# Altium PCB fMAX_MB.PcbDoc (part 1 of 13) (continued)
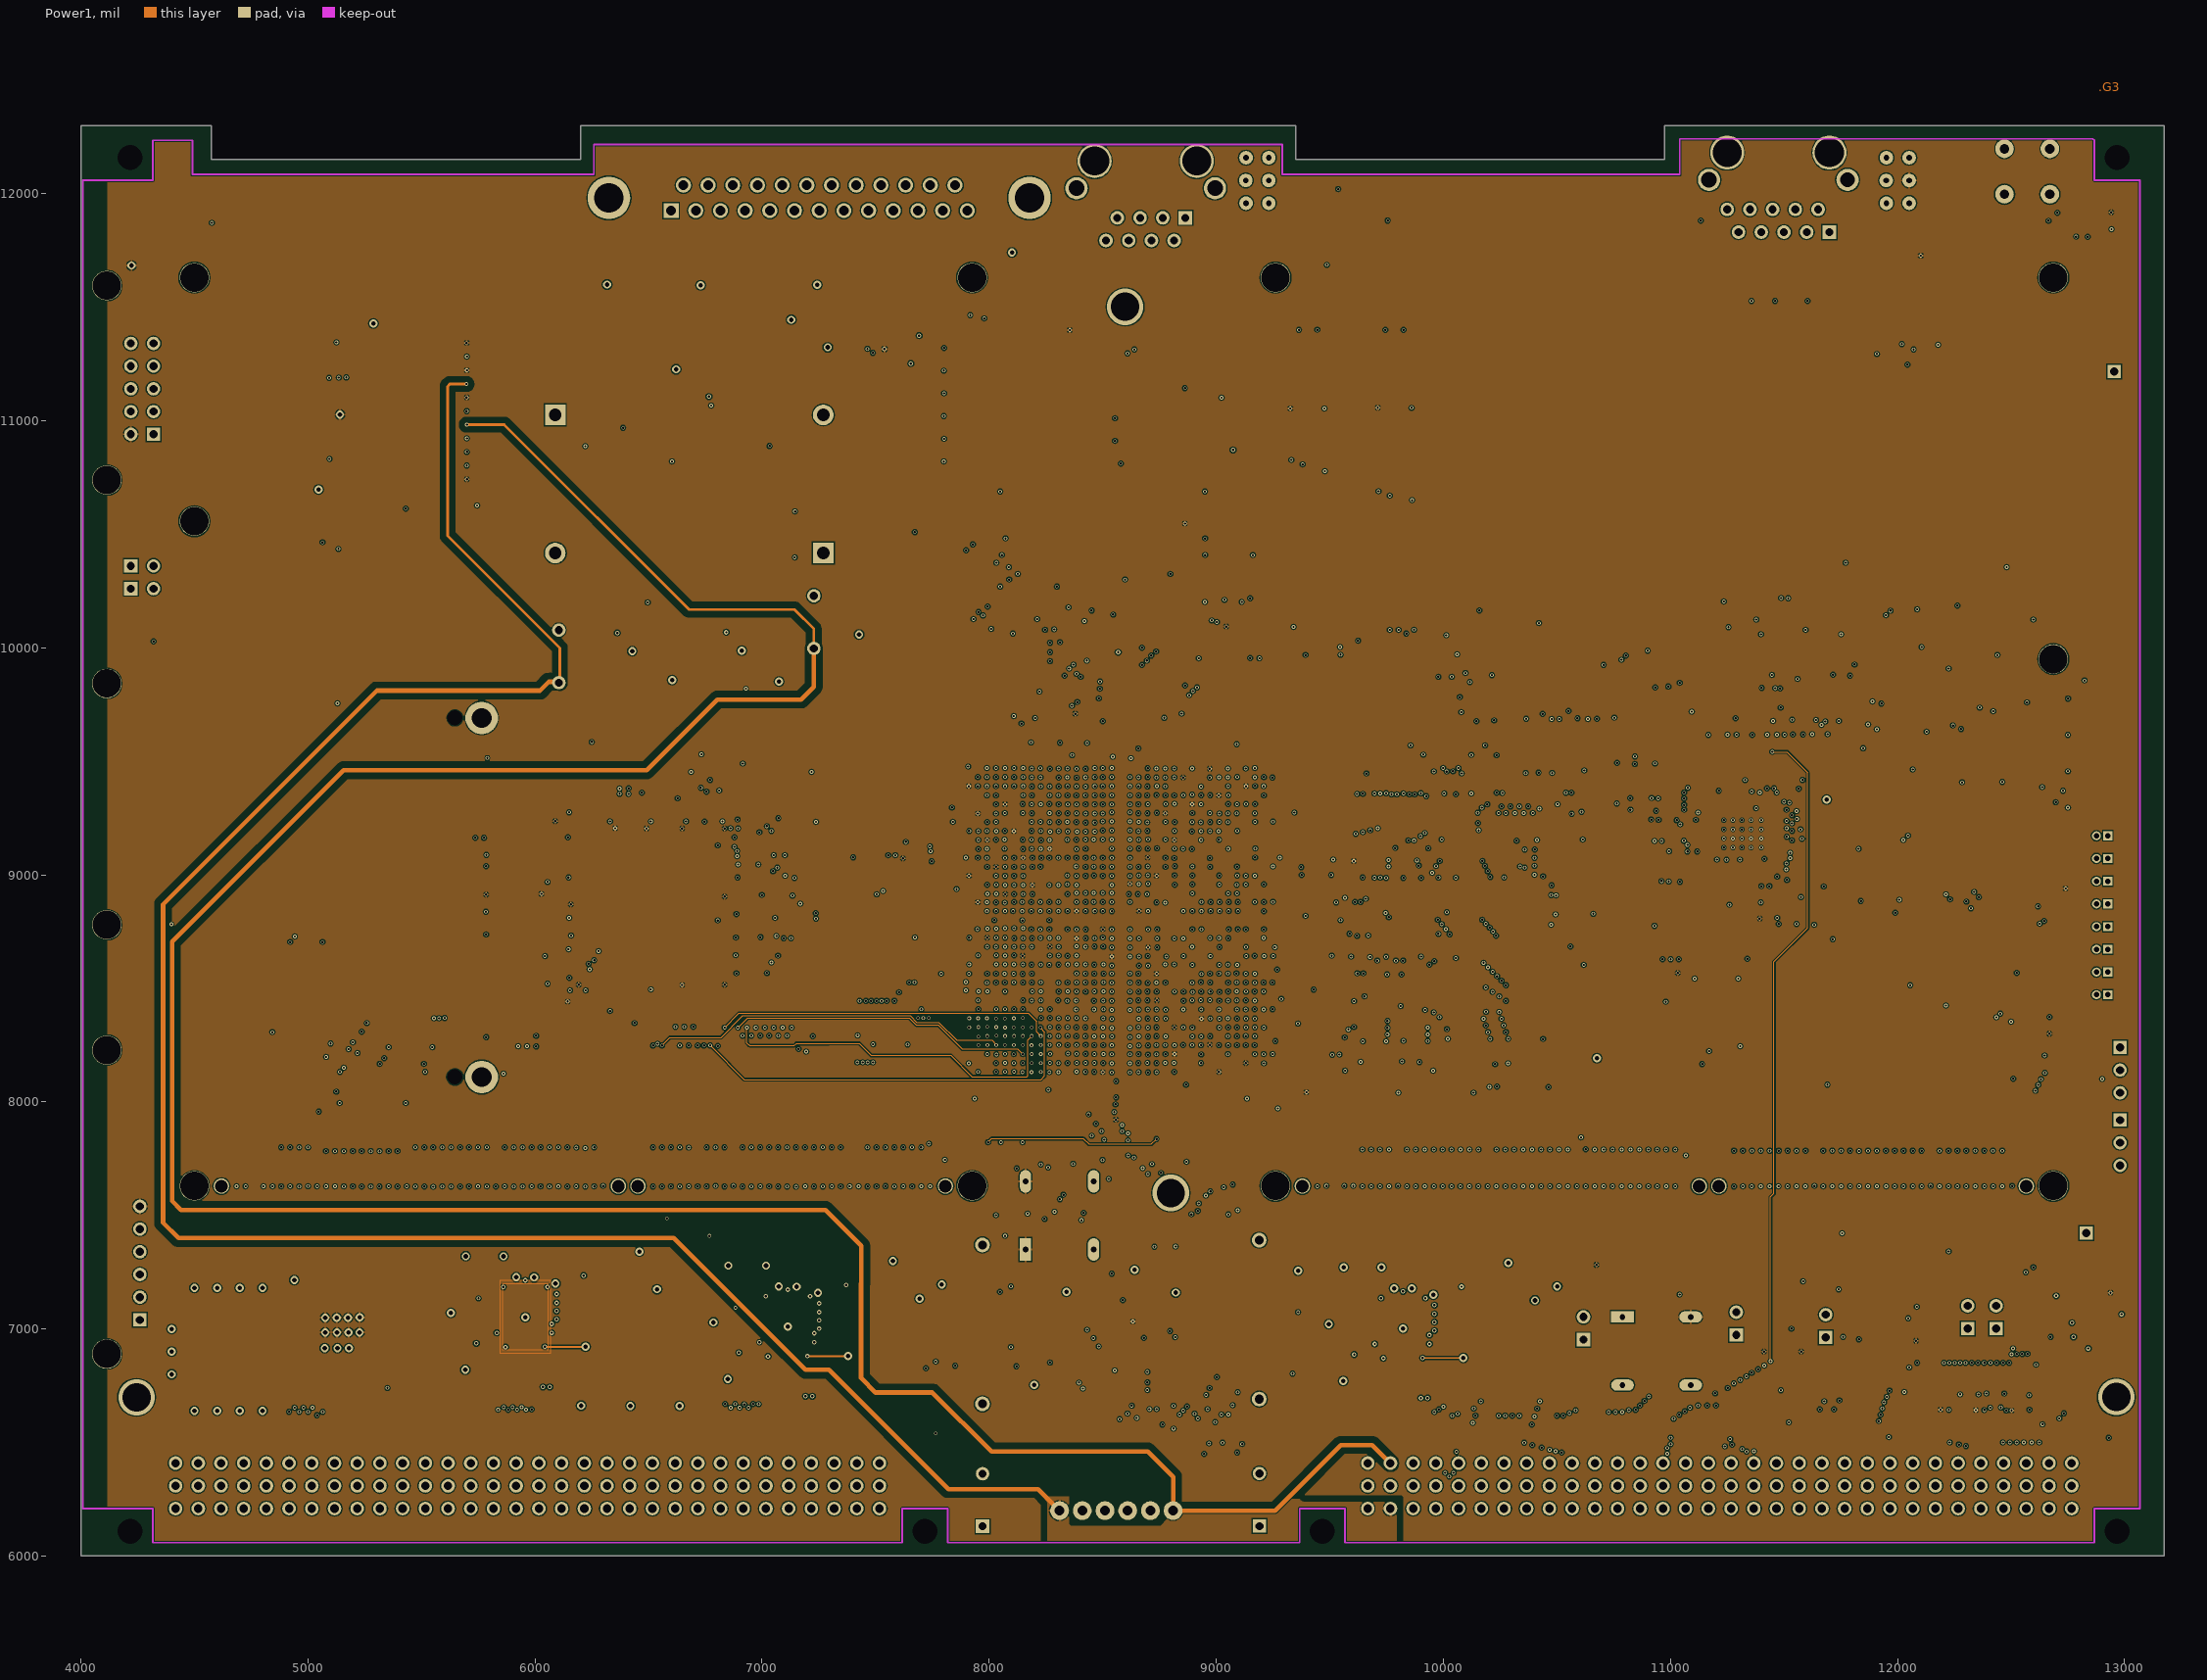
[diagram p4: Power1]
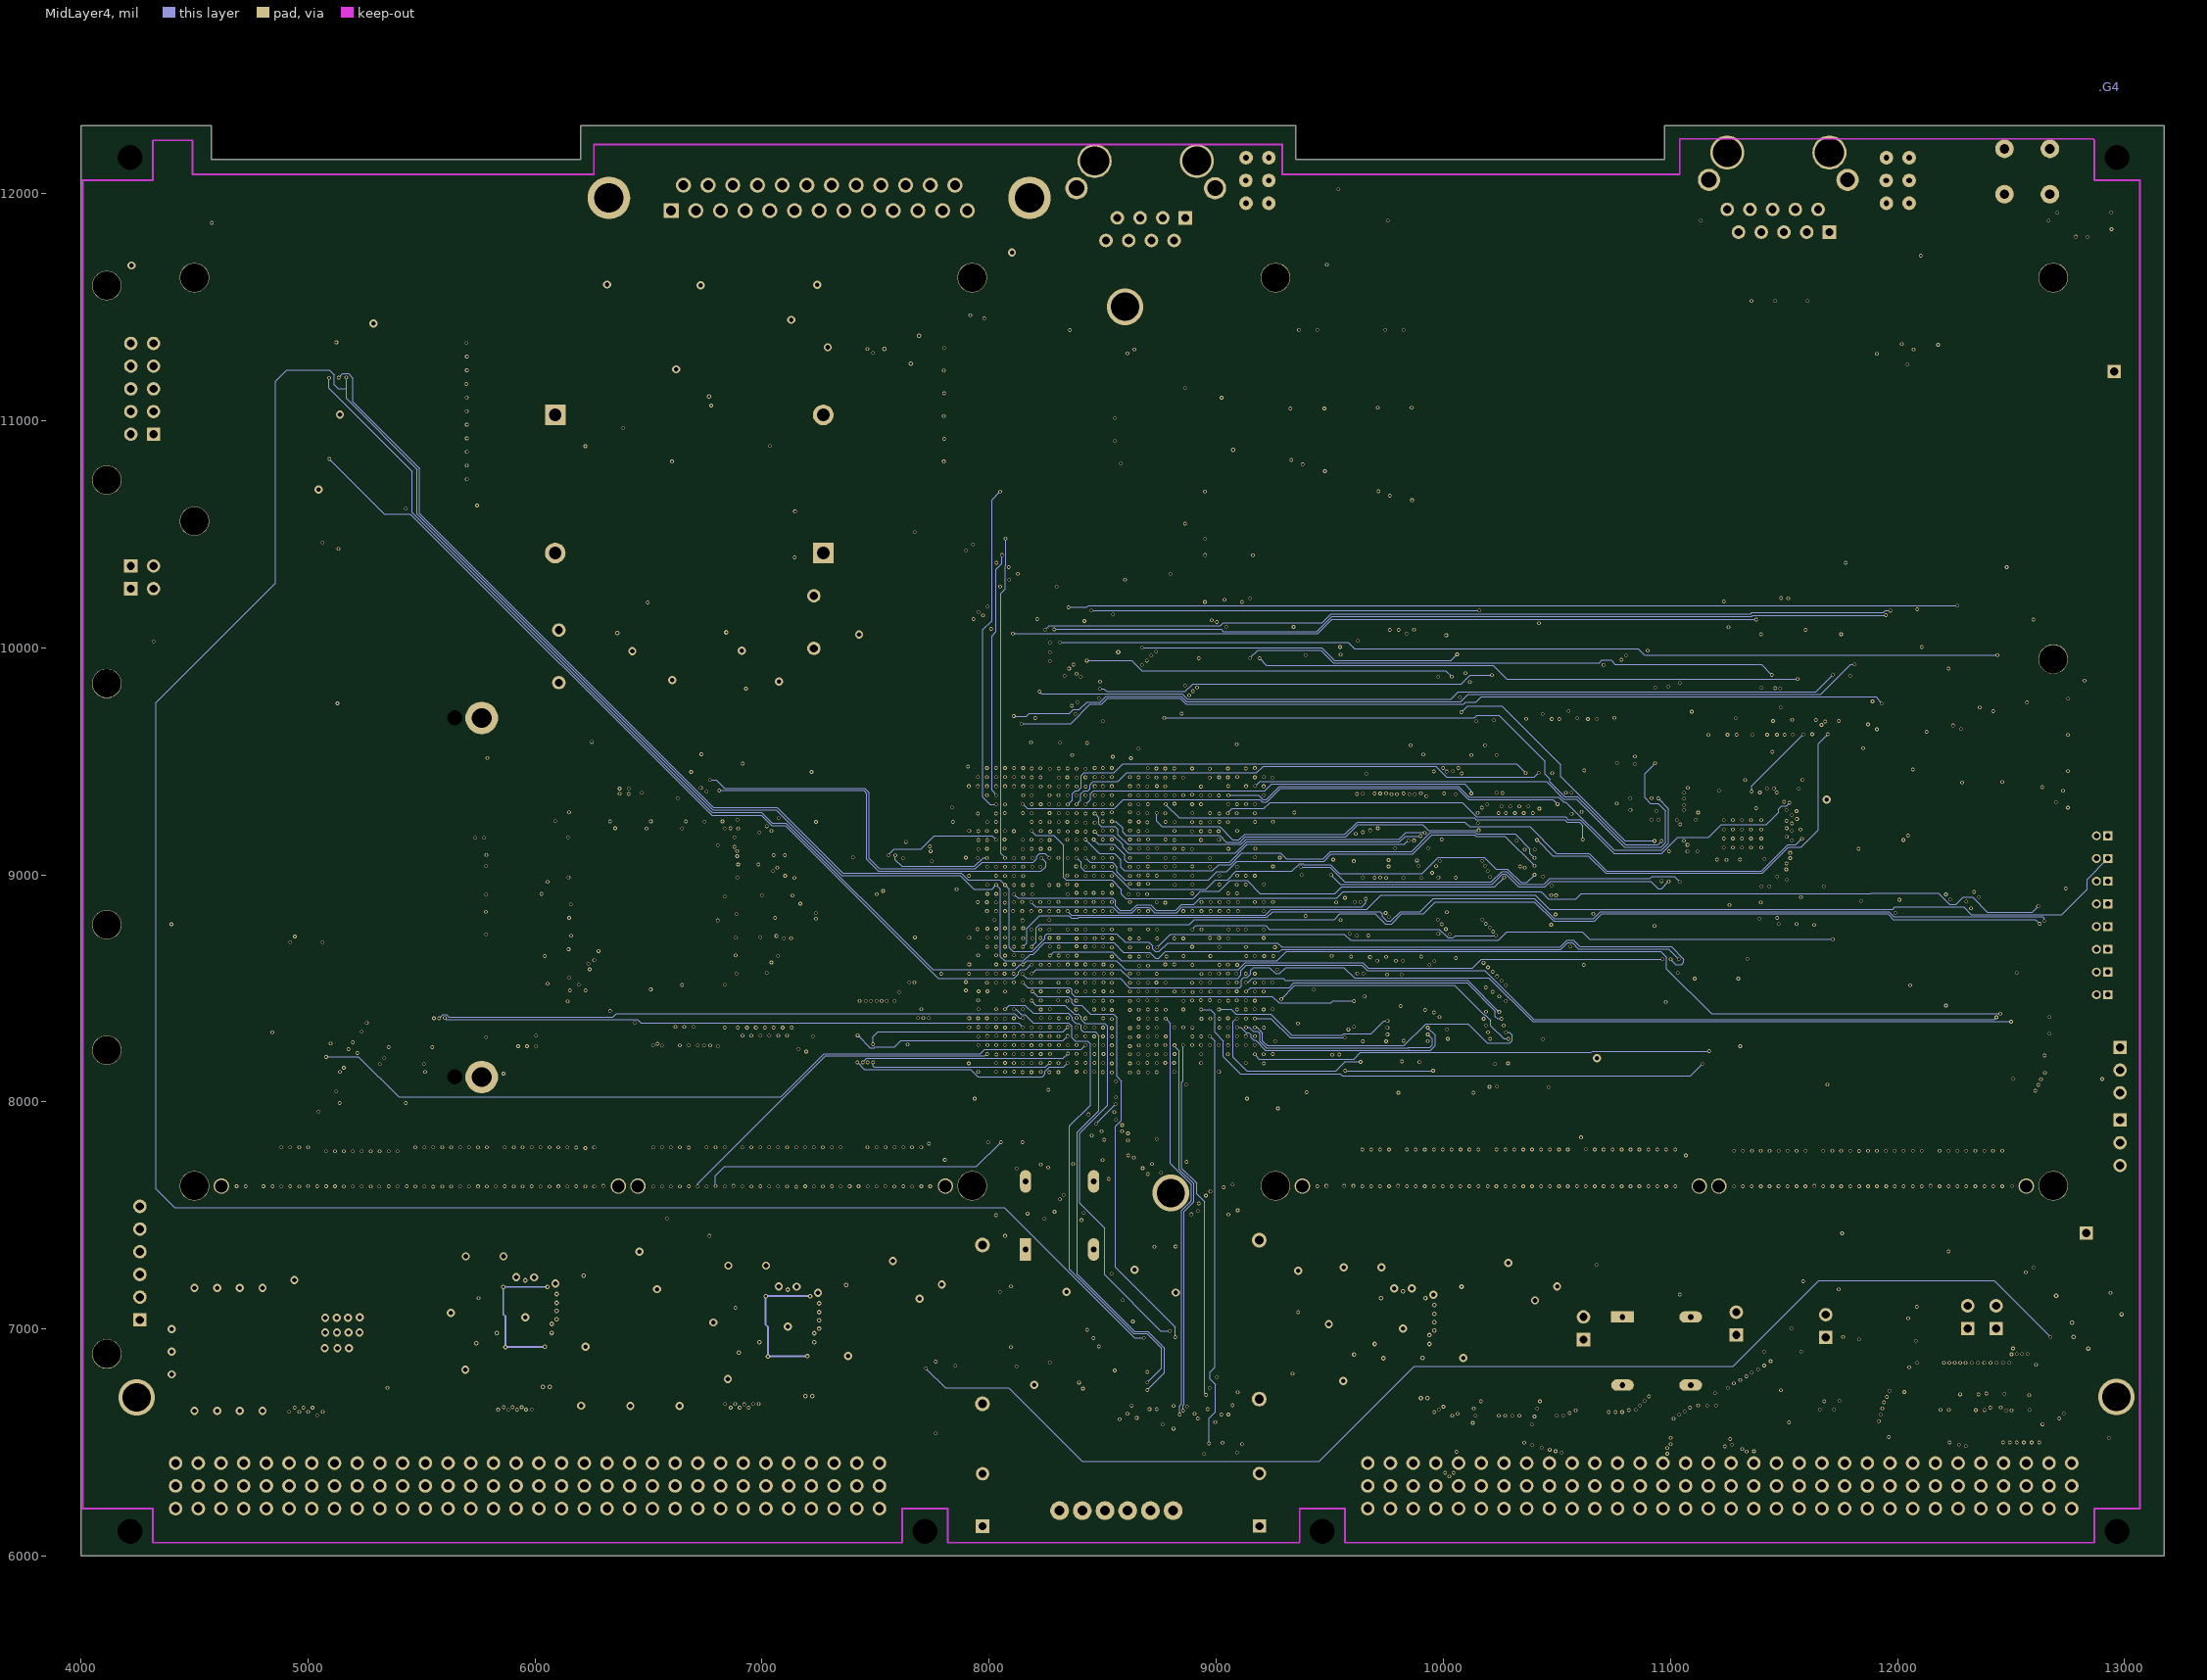
[diagram p5: MidLayer4]
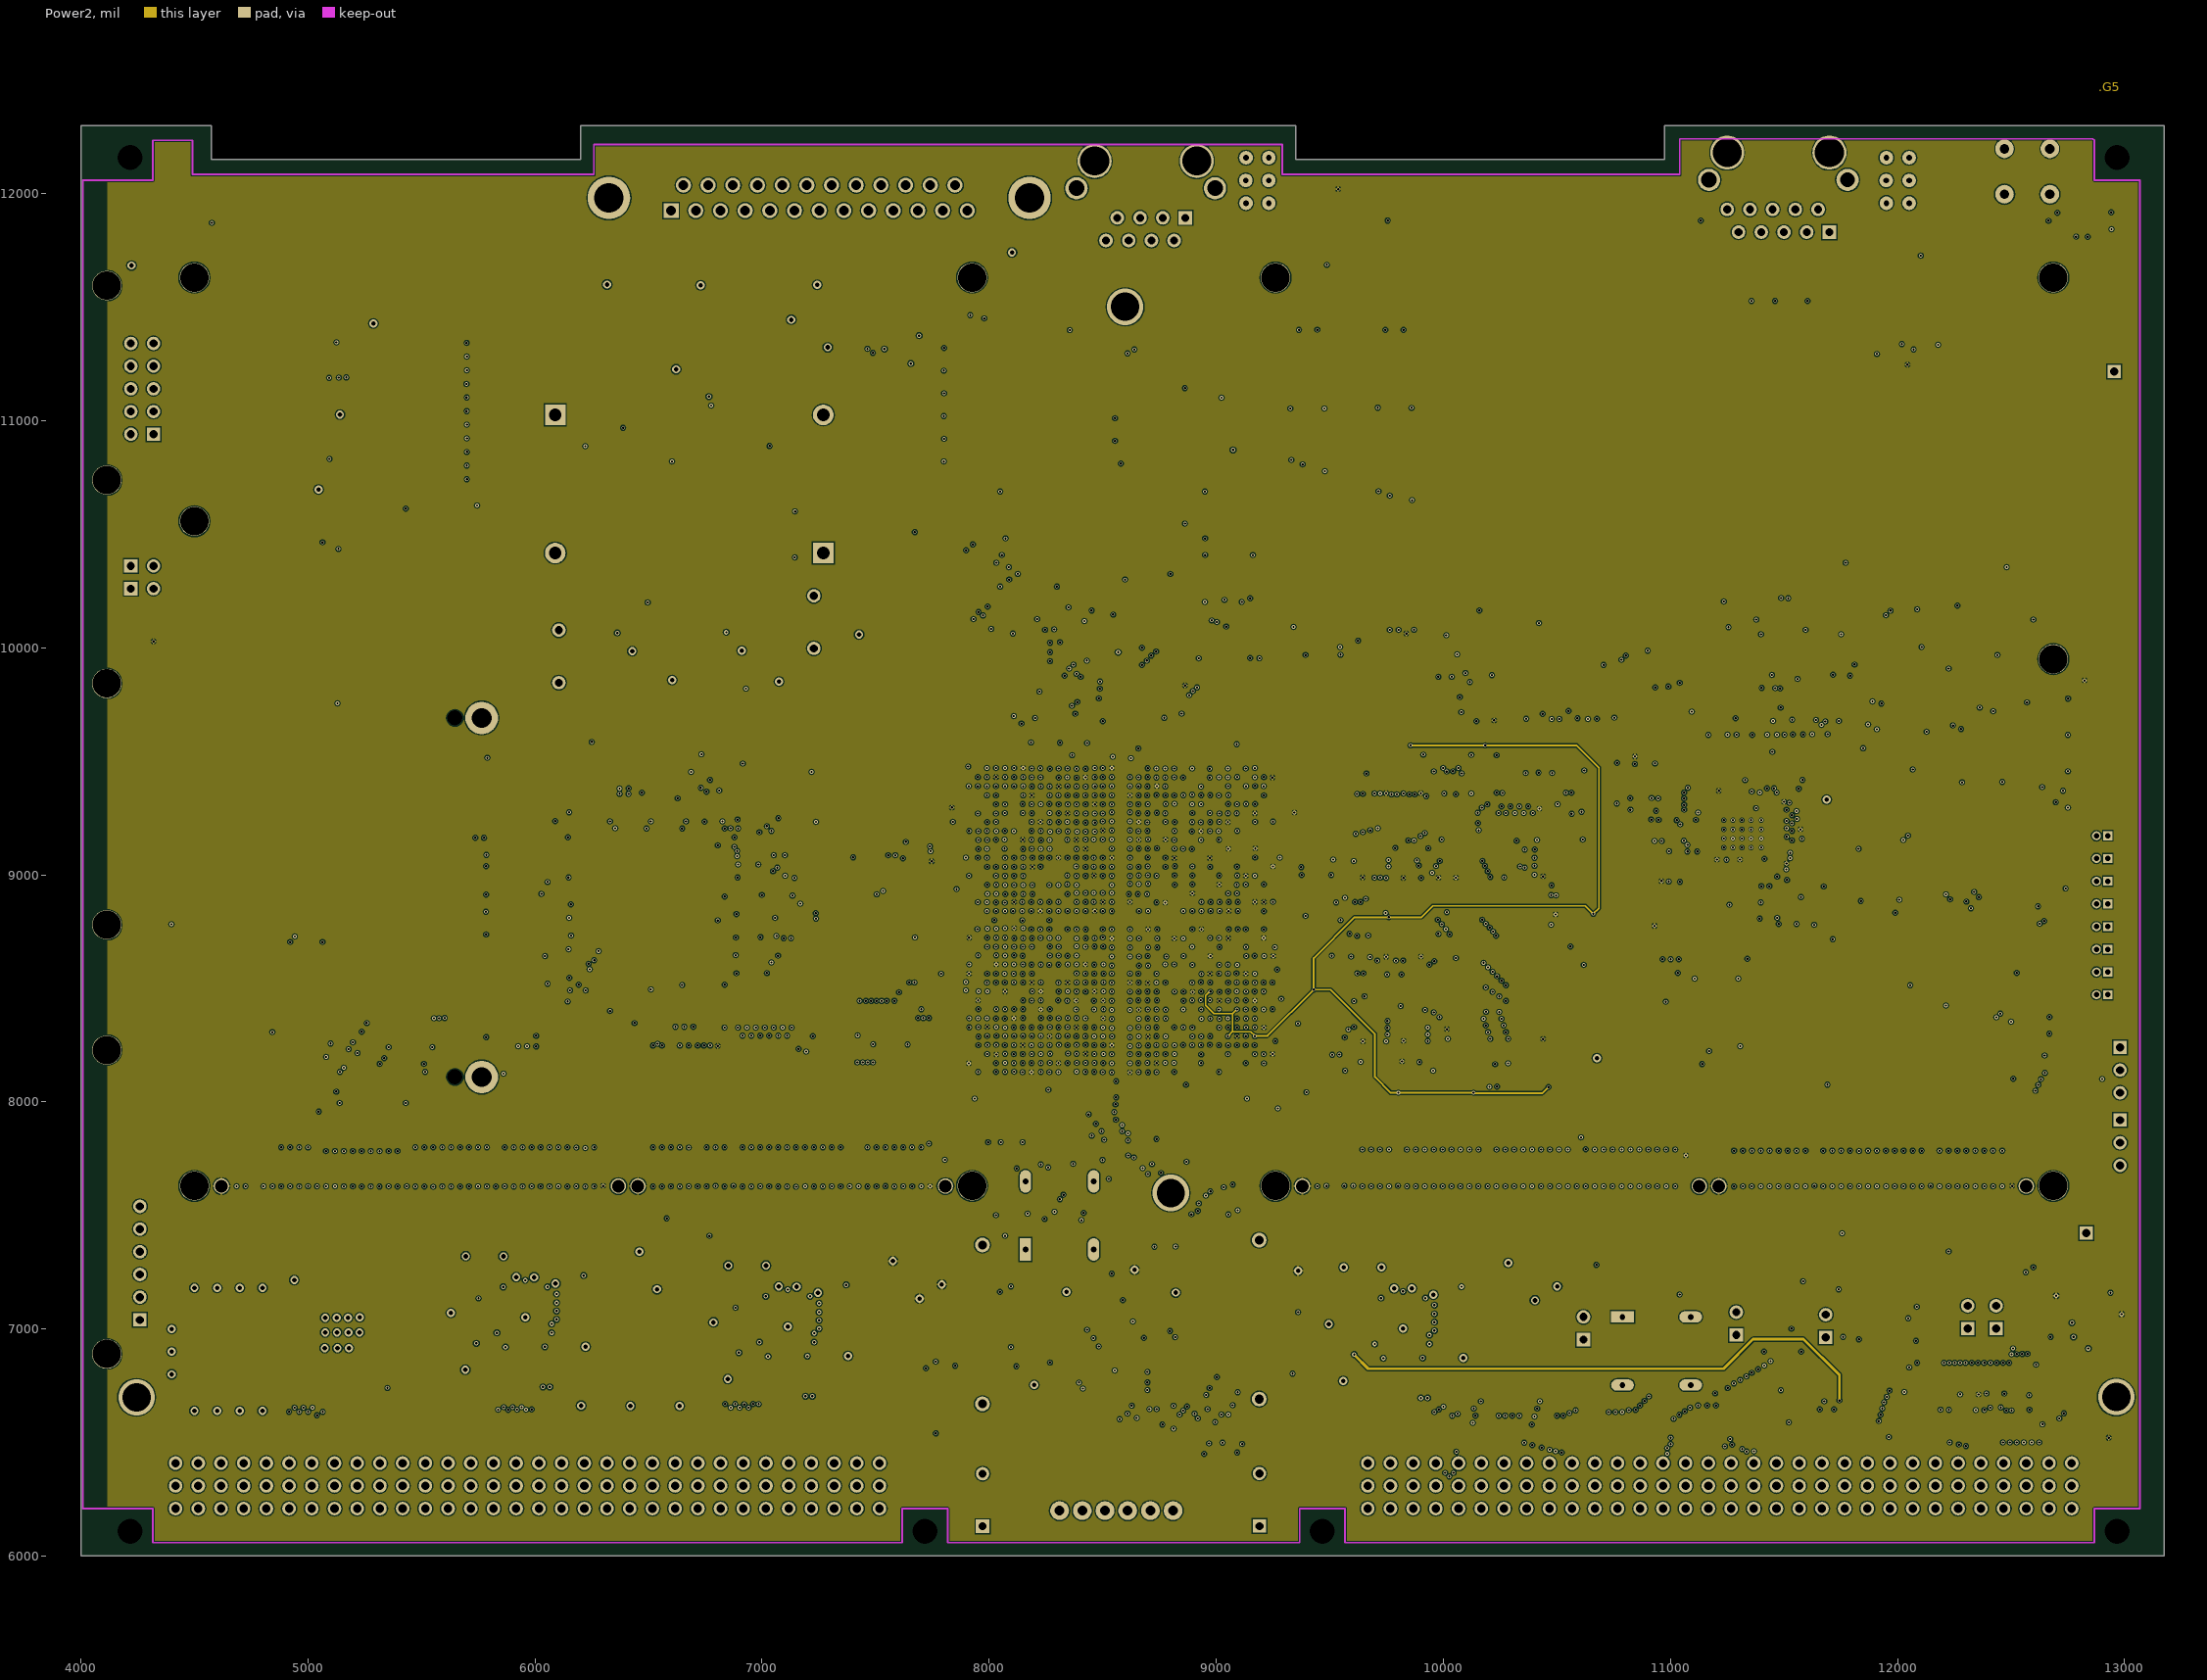
[diagram p6: Power2]
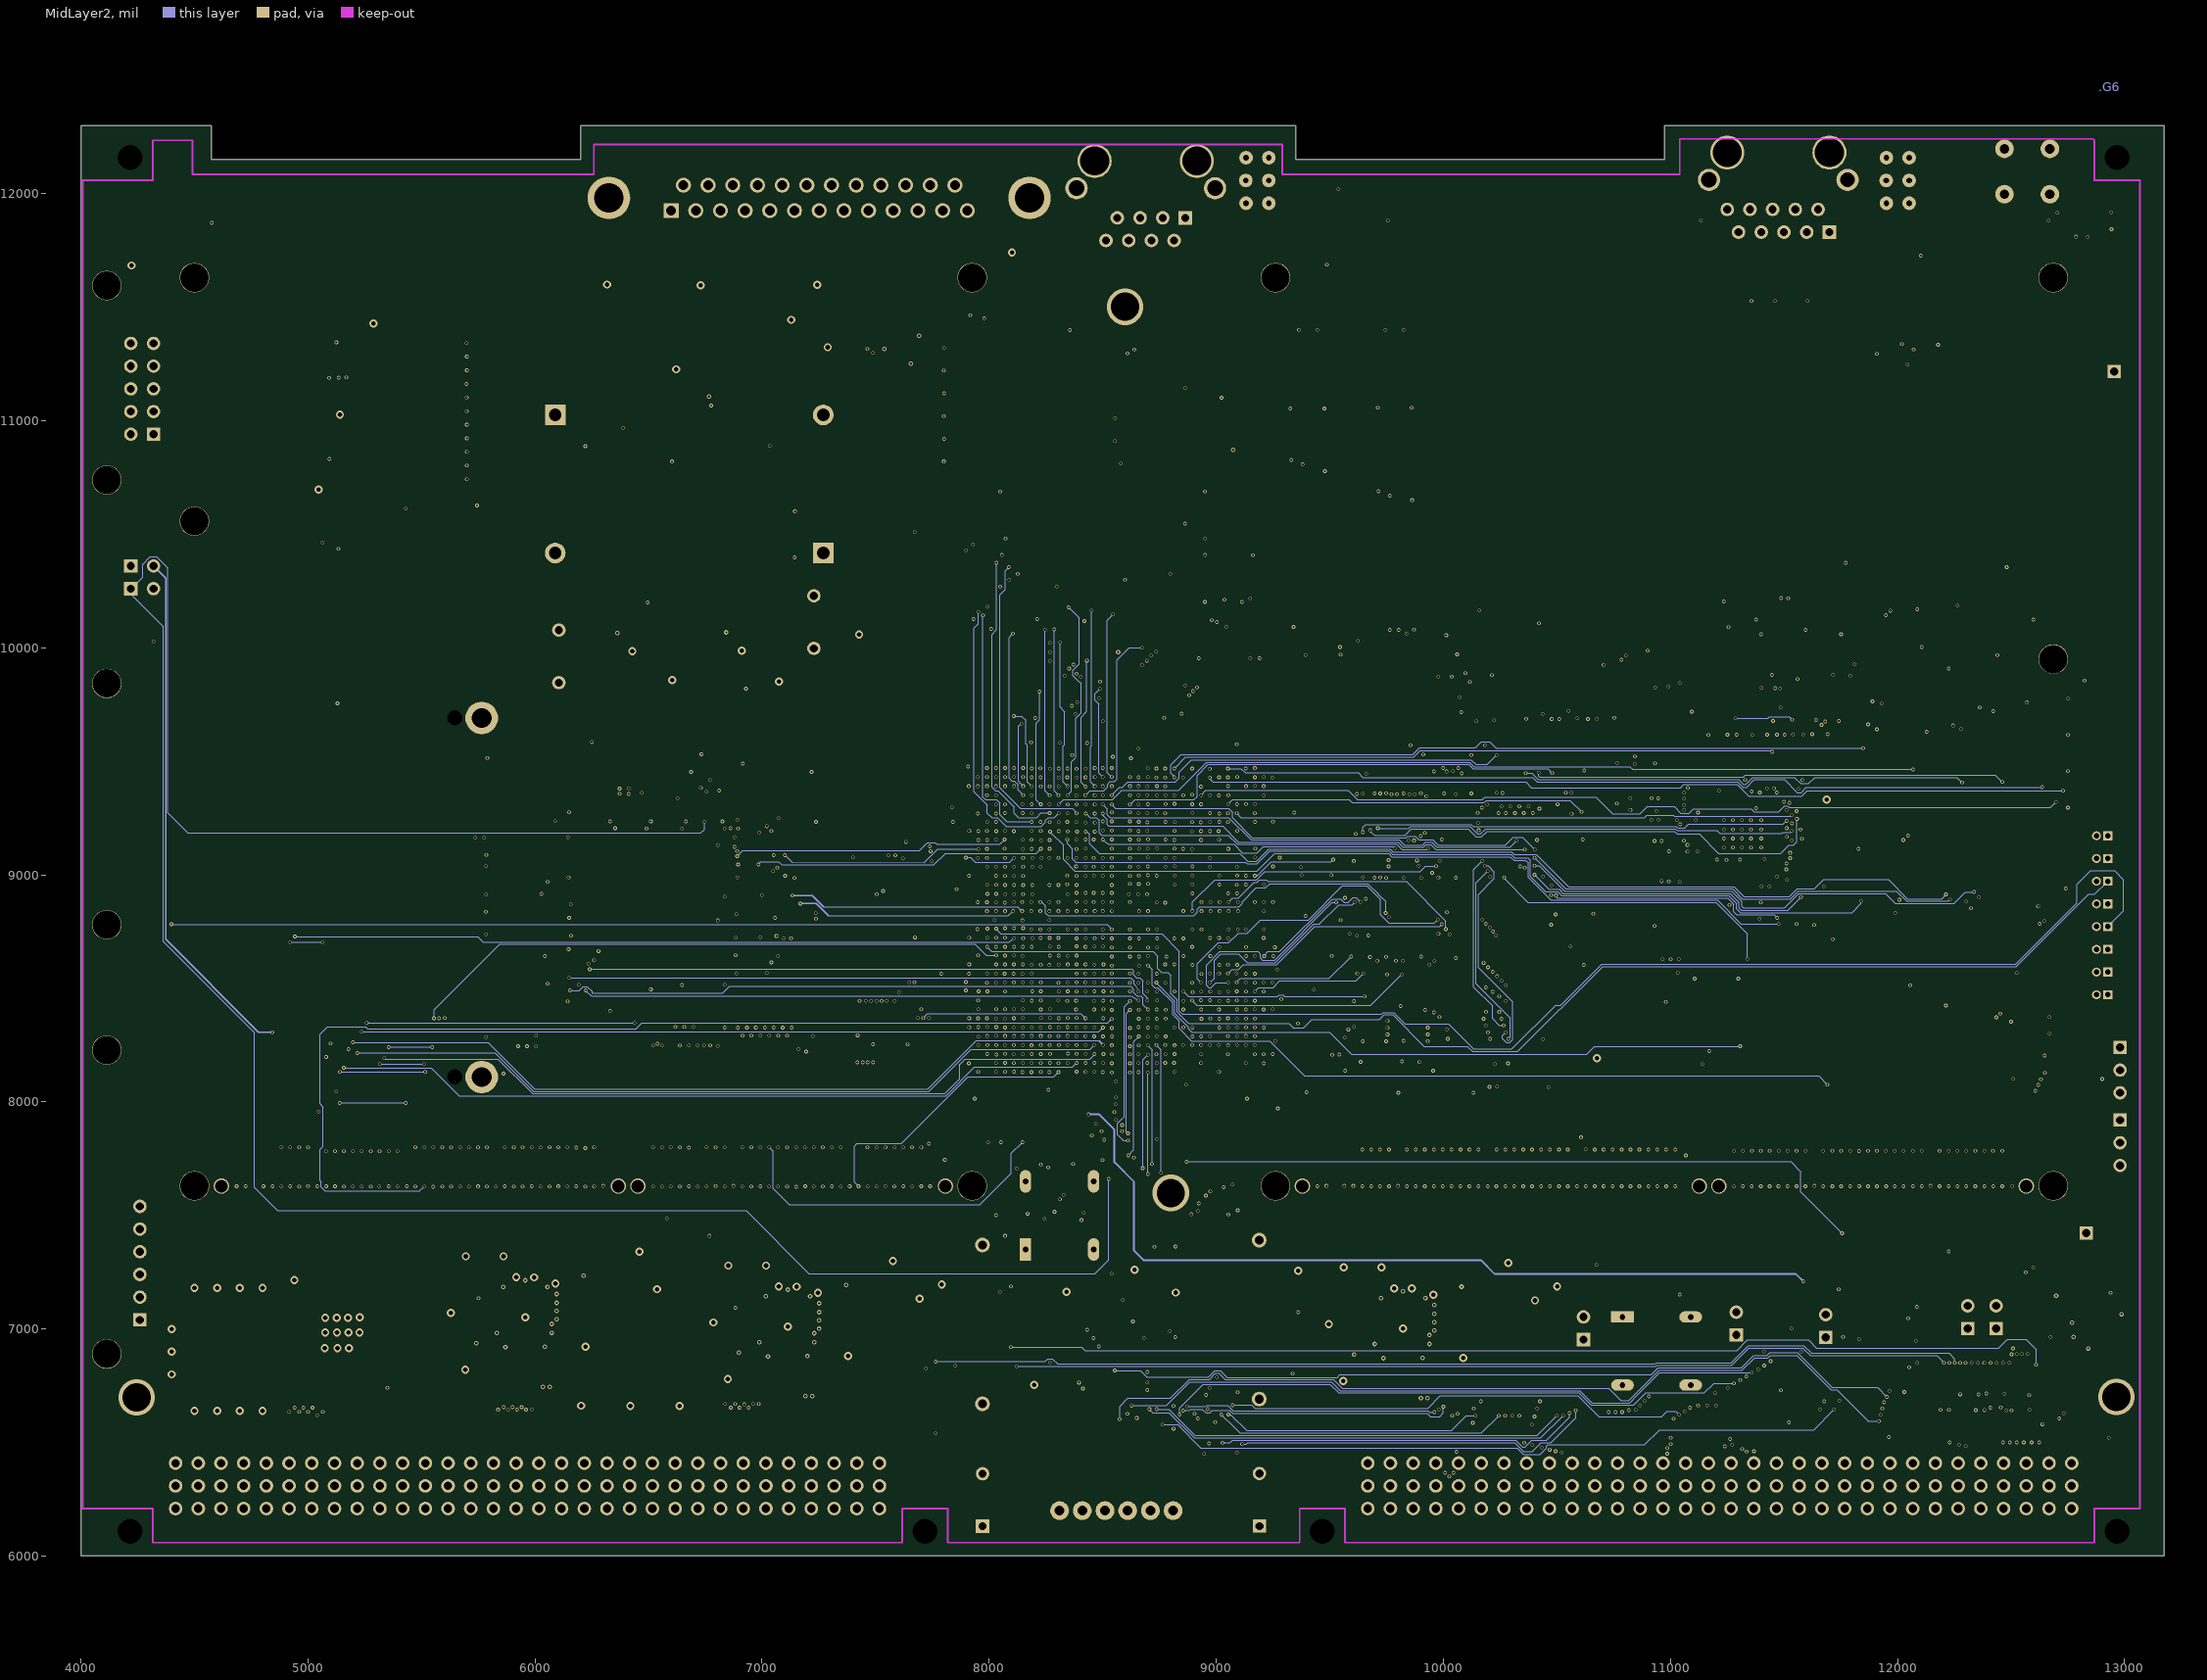
[diagram p7: MidLayer2]